# Altium PCB main - Copy.PcbDoc (part 4 of 14) (continued)
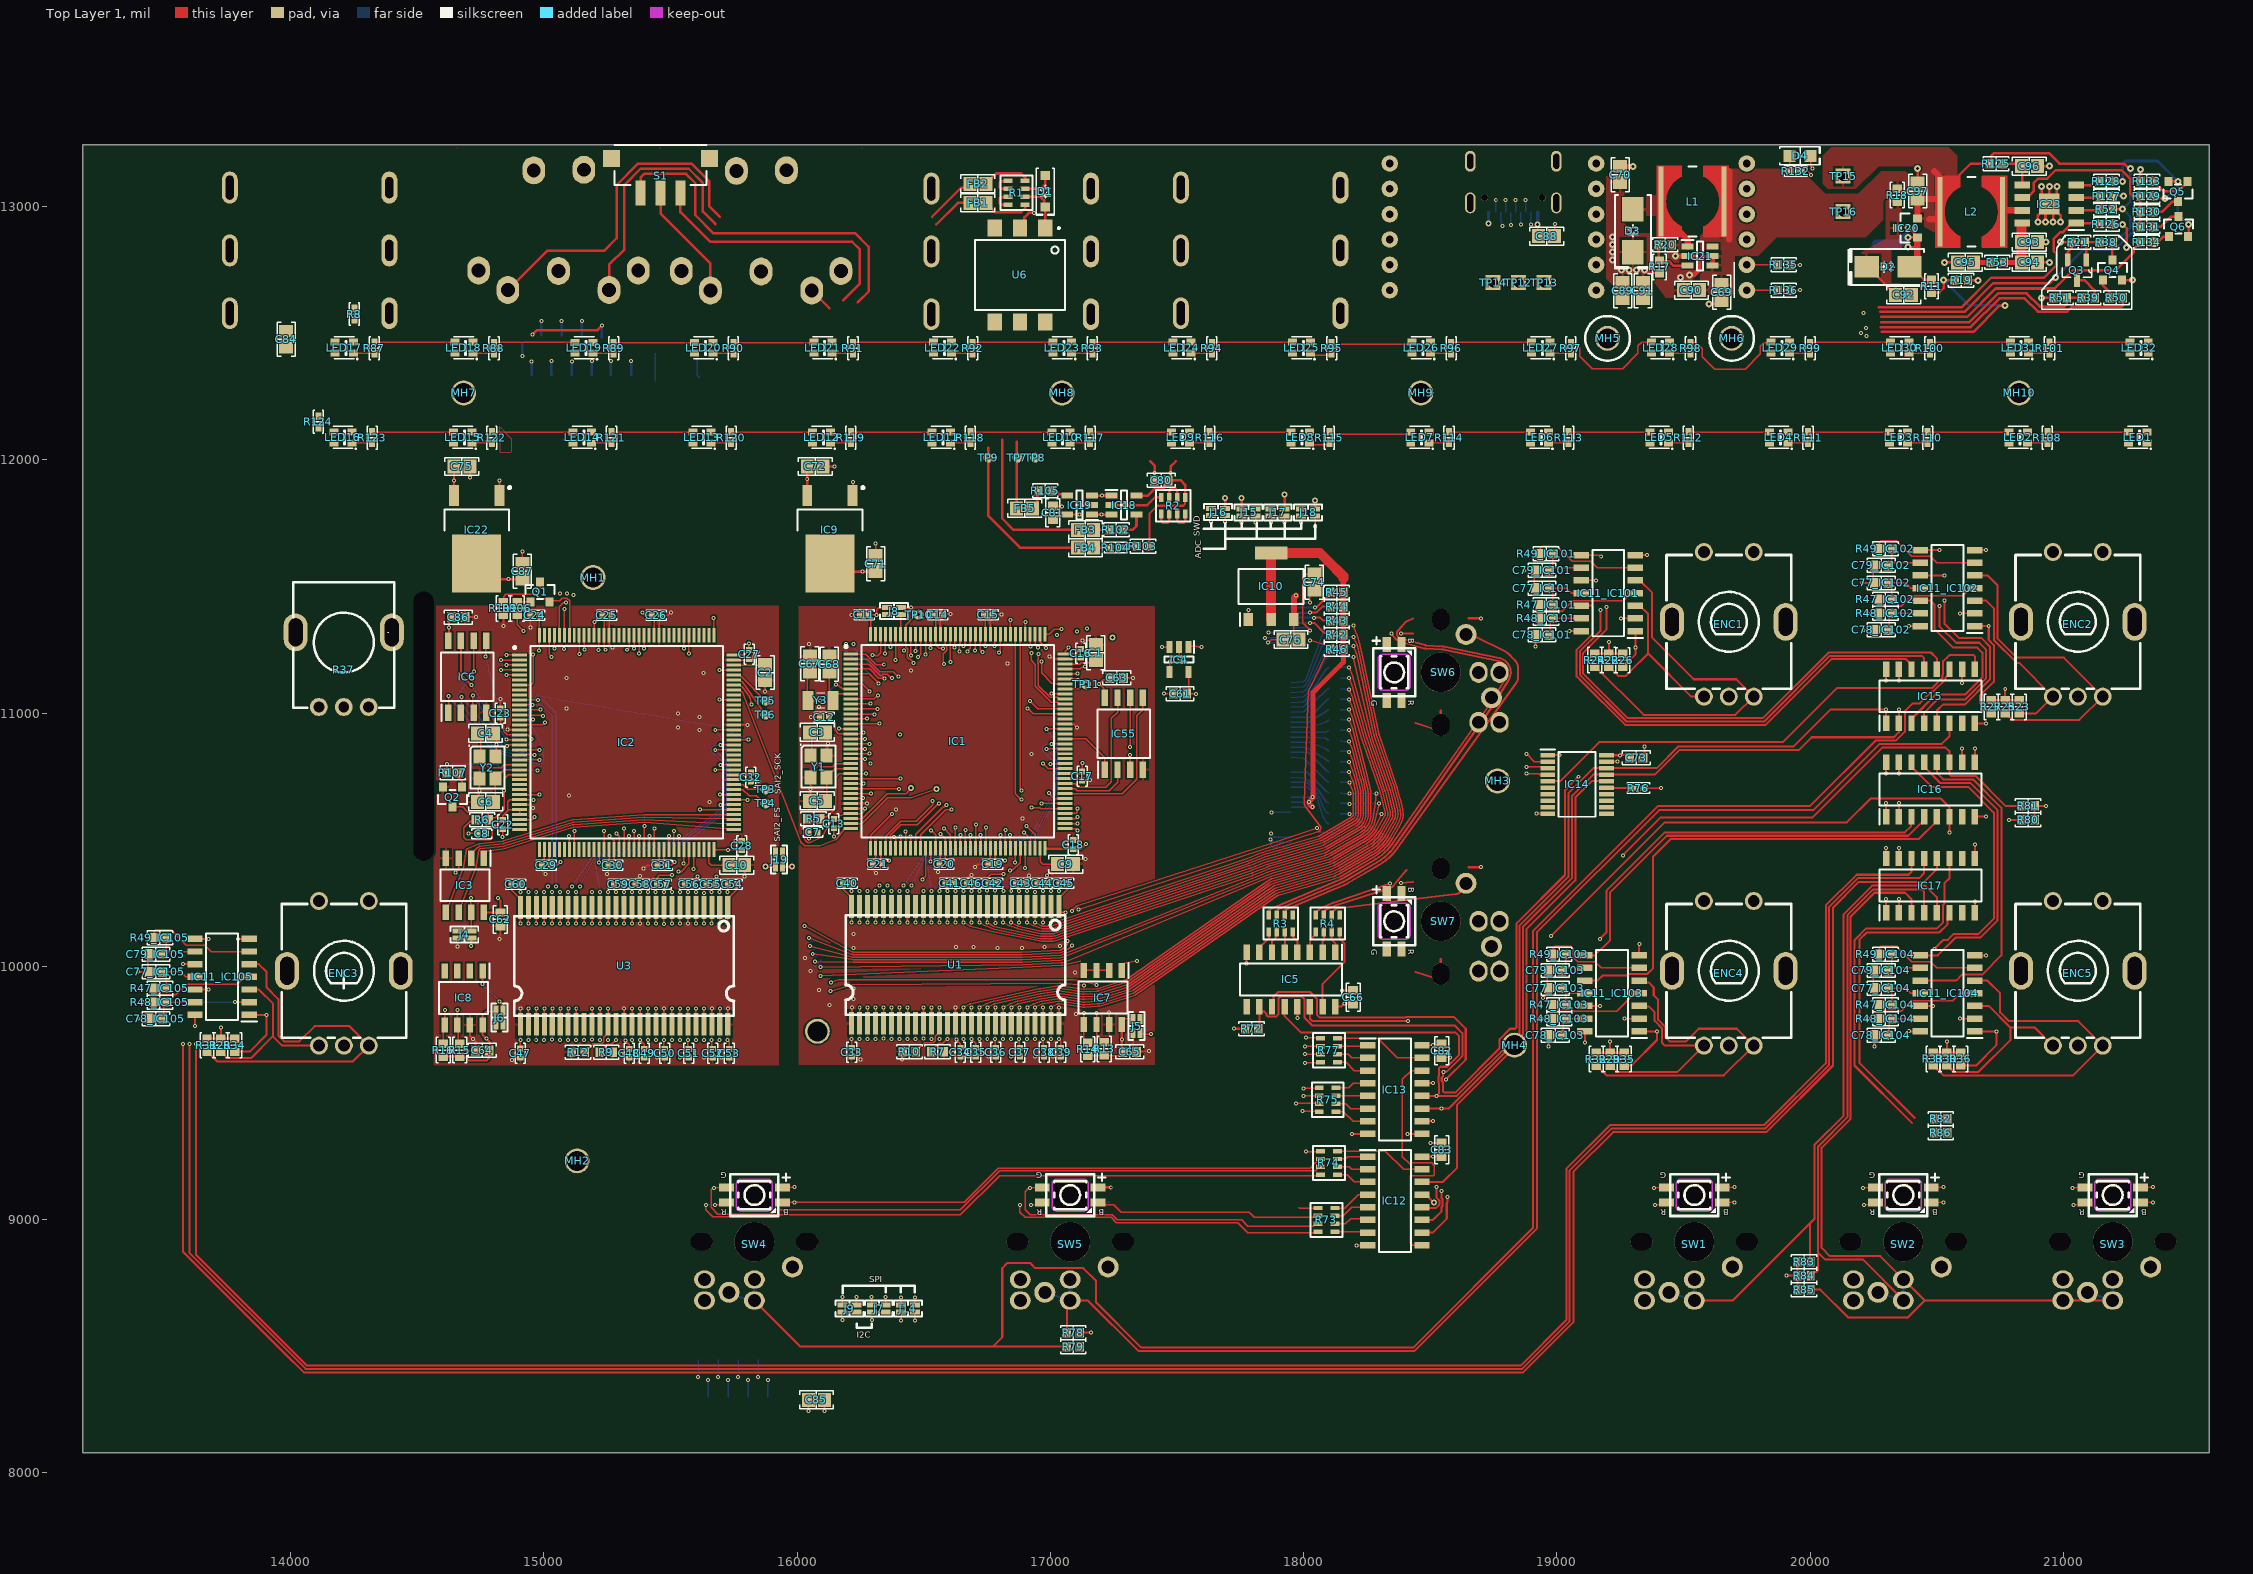
[diagram p0: Top Layer 1 view]
## Nets (pads, with @x,y where several pads share a name; then routed paths per layer and width w, separated by ;. In a path a pad name is that pad's centre, name@x,y a point inside that pad or via, vN(x,y) a via of type N, cw(c..) or ccw(c..) an arc to the next point about the centre after c; other vN are vias at no path point) (continued)
  Bottom 6+gnd w5: v1(14976.62,11052.03) 14996.56,11052.03 15048.82,10999.77 v1(15048.82,10315.92) ; v1@15033.24,9709.56 U4.23@15033.24,9771.4
AA1: IC2.11 U3.24 U4.24 | length 1673
  Top Layer 1 w5: IC2.11@14904.1,11032.42 14904.14,11032.46 14955.29,11032.46 v1(14955.49,11032.66) ; v1@15001.74,10170.19 U3.24@15001.74,10232.03
  Layer 3 w5: v1(15001.49,9709.31) 15001.49,9803 15017.62,9819.12 15017.62,10145.78 ; v1(15001.49,10169.94) ccw(c15005.65,10172.73) 15001.58,10169.82 15016.69,10148.64 ; v1@15001.49,10175.64 15001.49,10175.51 cw(c15005.65,10172.73) 15002.08,10176.22 15016.16,10190.35 ; v1(15017.33,10315.92) 15017.62,10298.12 ; 15017.62,10193.83 15017.62,10298.06 ; 15016.16,10190.35 ccw(c15012.62,10193.88) 15017.62,10193.79 ; 15016.16,10190.35 ccw(c15012.62,10193.88) 15017.62,10193.79 ; 15016.16,10190.35 ccw(c15012.62,10193.88) 15017.62,10193.79 ; 15016.16,10190.35 ccw(c15012.62,10193.88) 15017.62,10193.79 ; 15016.16,10190.35 ccw(c15012.62,10193.88) 15017.62,10193.79 ; 15016.16,10190.35 ccw(c15012.62,10193.88) 15017.62,10193.79 ; 15016.16,10190.35 ccw(c15012.62,10193.88) 15017.62,10193.79 ; 15016.16,10190.35 ccw(c15012.62,10193.88) 15017.62,10193.79 ; 15016.16,10190.35 ccw(c15012.62,10193.88) 15017.62,10193.79 ; 15016.16,10190.35 ccw(c15012.62,10193.88) 15017.62,10193.79 ; 15016.16,10190.35 ccw(c15012.62,10193.88) 15017.62,10193.79 ; 15016.16,10190.35 ccw(c15012.62,10193.88) 15017.62,10193.79 ; 15016.16,10190.35 ccw(c15012.62,10193.88) 15017.62,10193.79 ; 15016.16,10190.35 ccw(c15012.62,10193.88) 15017.62,10193.79 ; 15016.16,10190.35 ccw(c15012.62,10193.88) 15017.62,10193.79 ; 15016.16,10190.35 ccw(c15012.62,10193.88) 15017.62,10193.79 ; 15016.69,10148.64 cw(c15012.62,10145.74) 15017.62,10145.83 ; 15016.69,10148.64 cw(c15012.62,10145.74) 15017.62,10145.83 ; 15016.69,10148.64 cw(c15012.62,10145.74) 15017.62,10145.83 ; 15016.69,10148.64 cw(c15012.62,10145.74) 15017.62,10145.83 ; 15016.69,10148.64 cw(c15012.62,10145.74) 15017.62,10145.83 ; 15016.69,10148.64 cw(c15012.62,10145.74) 15017.62,10145.83 ; 15016.69,10148.64 cw(c15012.62,10145.74) 15017.62,10145.83 ; 15016.69,10148.64 cw(c15012.62,10145.74) 15017.62,10145.83 ; 15016.69,10148.64 cw(c15012.62,10145.74) 15017.62,10145.83 ; 15016.69,10148.64 cw(c15012.62,10145.74) 15017.62,10145.83 ; 15016.69,10148.64 cw(c15012.62,10145.74) 15017.62,10145.83 ; 15016.69,10148.64 cw(c15012.62,10145.74) 15017.62,10145.83 ; 15016.69,10148.64 cw(c15012.62,10145.74) 15017.62,10145.83 ; 15016.69,10148.64 cw(c15012.62,10145.74) 15017.62,10145.83 ; 15016.69,10148.64 cw(c15012.62,10145.74) 15017.62,10145.83 ; 15016.69,10148.64 cw(c15012.62,10145.74) 15017.62,10145.83 ; 15017.62,10298.06 ccw(c15012.62,10298.04) 15017.62,10298.12 ; 15017.62,10298.06 ccw(c15012.62,10298.04) 15017.62,10298.12 ; 15017.62,10298.06 ccw(c15012.62,10298.04) 15017.62,10298.12 ; 15017.62,10298.06 ccw(c15012.62,10298.04) 15017.62,10298.12 ; 15017.62,10298.06 ccw(c15012.62,10298.04) 15017.62,10298.12
  Bottom 6+gnd w5: v1(14955.49,11032.66) 14990.41,11032.66 15032.8,10990.27 15032.8,10334.3 15017.33,10318.83 v1(15017.33,10315.92) ; v1@15001.74,9709.56 U4.24@15001.74,9771.4
AA2: IC2.12 U3.25 U4.25 | length 1605
  Top Layer 1 w5: IC2.12@14903.94,11012.58 14904.97,11013.6 14985.68,11013.6 v1(14986.7,11014.63) ; v1@14970.24,10170.19 U3.25@14970.24,10232.03
  Layer 3 w5: v1(14970,9709.31) 14970,9803 14986.12,9819.12 14986.12,10145.78 ; v1(14970,10169.94) ccw(c14974.15,10172.73) 14970.08,10169.82 14985.19,10148.64 ; v1@14970,10175.51 cw(c14974.15,10172.73) 14970.58,10176.22 14984.66,10190.35 ccw(c14981.12,10193.88) 14986.12,10193.79 ; 14986.12,10193.83 14986.12,10473.57 cw(c14991.12,10473.57) 14987.39,10476.9 15018.72,10511.9 ccw(c14962.57,10562.18) 15037.66,10555.66 15047.83,10672.13 ccw(c14982.71,10677.89) 15047.9,10673.02 ccw(c14982.71,10677.9) 15048.09,10677.9 15048.09,10815.26 15048.09,10855.21 ccw(c14982.71,10855.26) 15045.67,10872.85 15019.43,10966.76 ccw(c15004.64,10962.57) 15019.39,10966.9 15011.45,10993.96 ccw(c14996.7,10989.63) 15005.16,11002.47 v1(14986.7,11014.63) ; 14985.19,10148.64 cw(c14981.12,10145.74) 14986.12,10145.83 ; 14985.19,10148.64 cw(c14981.12,10145.74) 14986.12,10145.83 ; 14985.19,10148.64 cw(c14981.12,10145.74) 14986.12,10145.83 ; 14985.19,10148.64 cw(c14981.12,10145.74) 14986.12,10145.83 ; 14985.19,10148.64 cw(c14981.12,10145.74) 14986.12,10145.83 ; 14985.19,10148.64 cw(c14981.12,10145.74) 14986.12,10145.83 ; 14985.19,10148.64 cw(c14981.12,10145.74) 14986.12,10145.83 ; 14985.19,10148.64 cw(c14981.12,10145.74) 14986.12,10145.83 ; 14985.19,10148.64 cw(c14981.12,10145.74) 14986.12,10145.83 ; 14985.19,10148.64 cw(c14981.12,10145.74) 14986.12,10145.83 ; 14985.19,10148.64 cw(c14981.12,10145.74) 14986.12,10145.83 ; 14985.19,10148.64 cw(c14981.12,10145.74) 14986.12,10145.83 ; 14985.19,10148.64 cw(c14981.12,10145.74) 14986.12,10145.83 ; 14985.19,10148.64 cw(c14981.12,10145.74) 14986.12,10145.83 ; 14985.19,10148.64 cw(c14981.12,10145.74) 14986.12,10145.83 ; 14985.19,10148.64 cw(c14981.12,10145.74) 14986.12,10145.83
  Bottom 6+gnd w5: v1@14970.24,9709.56 U4.25@14970.24,9771.4
AA3: IC2.13 U3.26 U4.26 | length 1587
  Top Layer 1 w5: IC2.13@14904.1,10993.05 14905.89,10991.26 14994.59,10991.26 v1(14996.23,10989.63) ; v1@14938.75,10170.19 U3.26@14938.75,10232.03
  Layer 3 w5: v1(14938.5,9709.31) 14938.5,9803 14954.62,9819.12 14954.62,10145.78 ; v1(14938.5,10169.94) ccw(c14942.66,10172.73) 14938.59,10169.82 14953.7,10148.64 ; v1@14938.5,10175.51 cw(c14942.66,10172.73) 14939.08,10176.22 14953.17,10190.35 ccw(c14949.62,10193.88) 14954.62,10193.79 14954.62,10470.36 cw(c14959.62,10470.36) 14955.95,10473.75 15003.12,10524.47 ccw(c14962.57,10562.18) 15017.73,10557.36 15027.91,10673.91 ccw(c14982.71,10677.89) 15027.95,10674.41 ; v1(14996.23,10989.63) 14996.36,10989.5 14996.66,10989.5 14989.9,10966.93 ccw(c15004.64,10962.57) 14990.4,10956.78 15024.74,10872.35 cw(c14982.71,10855.26) 15028.09,10855.26 15028.09,10815.26 15028.09,10677.9 cw(c14982.71,10677.9) 15027.95,10674.45 ; 14953.7,10148.64 cw(c14949.62,10145.74) 14954.62,10145.83 ; 14953.7,10148.64 cw(c14949.62,10145.74) 14954.62,10145.83 ; 14953.7,10148.64 cw(c14949.62,10145.74) 14954.62,10145.83 ; 14953.7,10148.64 cw(c14949.62,10145.74) 14954.62,10145.83 ; 14953.7,10148.64 cw(c14949.62,10145.74) 14954.62,10145.83 ; 14953.7,10148.64 cw(c14949.62,10145.74) 14954.62,10145.83 ; 14953.7,10148.64 cw(c14949.62,10145.74) 14954.62,10145.83 ; 14953.7,10148.64 cw(c14949.62,10145.74) 14954.62,10145.83 ; 14953.7,10148.64 cw(c14949.62,10145.74) 14954.62,10145.83 ; 14953.7,10148.64 cw(c14949.62,10145.74) 14954.62,10145.83 ; 14953.7,10148.64 cw(c14949.62,10145.74) 14954.62,10145.83 ; 14953.7,10148.64 cw(c14949.62,10145.74) 14954.62,10145.83 ; 14953.7,10148.64 cw(c14949.62,10145.74) 14954.62,10145.83 ; 14953.7,10148.64 cw(c14949.62,10145.74) 14954.62,10145.83 ; 14953.7,10148.64 cw(c14949.62,10145.74) 14954.62,10145.83 ; 14953.7,10148.64 cw(c14949.62,10145.74) 14954.62,10145.83
  Bottom 6+gnd w5: v1@14938.75,9709.56 U4.26@14938.75,9771.4
AA4: IC2.14 U3.29 U4.29 | length 1374.6
  Top Layer 1 w5: IC2.14@14903.94,10973.21 14904.65,10973.92 14955.99,10973.92 v1(14956.7,10974.63) ; U3.29@14938.75,9771.4 14938.75,9833.24 v1(14938.99,9833.49)
  Layer 3 w5: v1(14938.99,9833.49) 14938.99,10145.64 ccw(c14933.99,10145.64) 14937.55,10149.16 14927.66,10159.04 cw(c14938.5,10169.94) 14927,10180.15 14937.73,10192.24 ccw(c14933.99,10195.56) 14938.99,10195.56 14938.99,10293.63 v1(14938.5,10294.12) 14938.5,10479.09 cw(c14943.5,10479.09) 14940.27,10482.91 14992.24,10527.85 ccw(c14962.57,10562.18) 15007.77,10558.23 15017.95,10674.82 ccw(c14982.71,10677.89) 15017.98,10675.16 ccw(c14982.71,10677.9) 15018.09,10677.9 15018.09,10815.26 15018.09,10855.26 ccw(c14982.71,10855.26) 15013.61,10872.48 v1(14956.7,10974.63)
  Bottom 6+gnd w5: U4.29@14938.75,10232.03 v1@14938.75,10293.87
AA5: IC2.15 U3.30 U4.30 | length 1394.5
  Top Layer 1 w5: IC2.15@14904.1,10953.68 14904.5,10954.08 14996.15,10954.08 v1(15004.64,10962.57) ; U3.30@14970.24,9771.46 v1@14970.24,9833.73
  Layer 3 w5: v1(14970.49,9833.49) 14970.49,10145.64 ; 14970.49,10145.68 ccw(c14965.49,10145.59) 14969.03,10149.12 14959.1,10159.1 cw(c14970,10169.94) 14958.48,10180.12 14969.23,10192.29 ccw(c14965.49,10195.6) 14970.49,10195.51 ; 14970.49,10195.56 14970.49,10293.63 v1(14970,10294.12) 14970,10471.59 cw(c14975,10471.59) 14971.31,10474.97 15010.76,10518 ccw(c14962.57,10562.18) 15027.69,10556.49 15037.87,10673.04 ccw(c14982.71,10677.89) 15037.93,10673.73 ccw(c14982.71,10677.9) 15038.09,10677.9 15038.09,10815.26 15038.09,10855.26 ccw(c14982.71,10855.26) 15035.13,10873.12 v1(15004.64,10962.57)
  Bottom 6+gnd w5: U4.30@14970.24,10232.03 v1@14970.24,10293.87
AA6: IC2.50 U3.31 U4.31 | length 1184.5
  Top Layer 1 w5: U3.31@15001.74,9771.4 v1@15001.74,9833.24 ; IC2.50@15238.27,10461.71 v1@15238.27,10534.31
  Layer 3 w5: v1(15001.98,9833.49) 15001.98,10145.64 ; 15001.98,10195.56 15001.98,10293.63 v1(15001.49,10294.12) 15001.49,10323.38 ; v1(15238.2,10534.39) 15124.55,10447.68 ccw(c15163.98,10396.01) 15118.13,10442.09 15002.94,10326.9 ; 15000.53,10149.12 cw(c14996.98,10145.59) 15001.98,10145.68 ; 15000.53,10149.12 cw(c14996.98,10145.59) 15001.98,10145.68 ; 15000.53,10149.12 cw(c14996.98,10145.59) 15001.98,10145.68 ; 15000.53,10149.12 cw(c14996.98,10145.59) 15001.98,10145.68 ; 15000.53,10149.12 cw(c14996.98,10145.59) 15001.98,10145.68 ; 15000.53,10149.12 cw(c14996.98,10145.59) 15001.98,10145.68 ; 15000.53,10149.12 cw(c14996.98,10145.59) 15001.98,10145.68 ; 15000.53,10149.12 cw(c14996.98,10145.59) 15001.98,10145.68 ; 15000.53,10149.12 cw(c14996.98,10145.59) 15001.98,10145.68 ; 15000.53,10149.12 cw(c14996.98,10145.59) 15001.98,10145.68 ; 15000.53,10149.12 cw(c14996.98,10145.59) 15001.98,10145.68 ; 15000.53,10149.12 cw(c14996.98,10145.59) 15001.98,10145.68 ; 15000.53,10149.12 cw(c14996.98,10145.59) 15001.98,10145.68 ; 15000.53,10149.12 cw(c14996.98,10145.59) 15001.98,10145.68 ; 15000.53,10149.12 cw(c14996.98,10145.59) 15001.98,10145.68 ; 15000.53,10149.12 cw(c14996.98,10145.59) 15001.98,10145.68 ; 15000.53,10149.12 14990.6,10159.1 cw(c15001.49,10169.94) 14989.97,10180.12 15000.73,10192.29 ; 15000.73,10192.29 ccw(c14996.98,10195.6) 15001.98,10195.51 ; 15000.73,10192.29 ccw(c14996.98,10195.6) 15001.98,10195.51 ; 15000.73,10192.29 ccw(c14996.98,10195.6) 15001.98,10195.51 ; 15000.73,10192.29 ccw(c14996.98,10195.6) 15001.98,10195.51 ; 15000.73,10192.29 ccw(c14996.98,10195.6) 15001.98,10195.51 ; 15000.73,10192.29 ccw(c14996.98,10195.6) 15001.98,10195.51 ; 15000.73,10192.29 ccw(c14996.98,10195.6) 15001.98,10195.51 ; 15000.73,10192.29 ccw(c14996.98,10195.6) 15001.98,10195.51 ; 15000.73,10192.29 ccw(c14996.98,10195.6) 15001.98,10195.51 ; 15000.73,10192.29 ccw(c14996.98,10195.6) 15001.98,10195.51 ; 15000.73,10192.29 ccw(c14996.98,10195.6) 15001.98,10195.51 ; 15000.73,10192.29 ccw(c14996.98,10195.6) 15001.98,10195.51 ; 15000.73,10192.29 ccw(c14996.98,10195.6) 15001.98,10195.51 ; 15000.73,10192.29 ccw(c14996.98,10195.6) 15001.98,10195.51 ; 15000.73,10192.29 ccw(c14996.98,10195.6) 15001.98,10195.51 ; 15000.73,10192.29 ccw(c14996.98,10195.6) 15001.98,10195.51 ; 15001.49,10323.38 cw(c15006.5,10323.38) 15002.94,10326.9 ; 15001.49,10323.38 cw(c15006.5,10323.38) 15002.94,10326.9 ; 15001.49,10323.38 cw(c15006.5,10323.38) 15002.94,10326.9 ; 15001.49,10323.38 cw(c15006.5,10323.38) 15002.94,10326.9 ; 15001.49,10323.38 cw(c15006.5,10323.38) 15002.94,10326.9 ; 15001.49,10323.38 cw(c15006.5,10323.38) 15002.94,10326.9 ; 15001.49,10323.38 cw(c15006.5,10323.38) 15002.94,10326.9 ; 15001.49,10323.38 cw(c15006.5,10323.38) 15002.94,10326.9 ; 15001.49,10323.38 cw(c15006.5,10323.38) 15002.94,10326.9 ; 15001.49,10323.38 cw(c15006.5,10323.38) 15002.94,10326.9 ; 15001.49,10323.38 cw(c15006.5,10323.38) 15002.94,10326.9 ; 15001.49,10323.38 cw(c15006.5,10323.38) 15002.94,10326.9 ; 15001.49,10323.38 cw(c15006.5,10323.38) 15002.94,10326.9 ; 15001.49,10323.38 cw(c15006.5,10323.38) 15002.94,10326.9 ; 15001.49,10323.38 cw(c15006.5,10323.38) 15002.94,10326.9 ; 15001.49,10323.38 cw(c15006.5,10323.38) 15002.94,10326.9
  Bottom 6+gnd w5: U4.31@15001.74,10232.03 v1@15001.74,10293.87
AA7: IC2.53 U3.32 U4.32 | length 1309.9
  Top Layer 1 w5: U3.32@15033.24,9771.46 v1@15033.24,9833.49 ; v1(15286.7,10524.63) 15296.94,10514.39 15296.94,10462.11 IC2.53@15297.23,10461.87
  Layer 3 w5: v1(15033.48,9833.49) 15033.48,10145.64 ; 15033.48,10195.56 15033.48,10293.63 v1(15032.99,10294.12) 15032.99,10340.73 ; v1(15286.7,10524.63) 15270.8,10504.96 ; 15032.02,10149.12 cw(c15028.48,10145.59) 15033.48,10145.68 ; 15032.02,10149.12 cw(c15028.48,10145.59) 15033.48,10145.68 ; 15032.02,10149.12 cw(c15028.48,10145.59) 15033.48,10145.68 ; 15032.02,10149.12 cw(c15028.48,10145.59) 15033.48,10145.68 ; 15032.02,10149.12 cw(c15028.48,10145.59) 15033.48,10145.68 ; 15032.02,10149.12 cw(c15028.48,10145.59) 15033.48,10145.68 ; 15032.02,10149.12 cw(c15028.48,10145.59) 15033.48,10145.68 ; 15032.02,10149.12 cw(c15028.48,10145.59) 15033.48,10145.68 ; 15032.02,10149.12 cw(c15028.48,10145.59) 15033.48,10145.68 ; 15032.02,10149.12 cw(c15028.48,10145.59) 15033.48,10145.68 ; 15032.02,10149.12 cw(c15028.48,10145.59) 15033.48,10145.68 ; 15032.02,10149.12 cw(c15028.48,10145.59) 15033.48,10145.68 ; 15032.02,10149.12 cw(c15028.48,10145.59) 15033.48,10145.68 ; 15032.02,10149.12 cw(c15028.48,10145.59) 15033.48,10145.68 ; 15032.02,10149.12 cw(c15028.48,10145.59) 15033.48,10145.68 ; 15032.02,10149.12 cw(c15028.48,10145.59) 15033.48,10145.68 ; 15032.02,10149.12 15022.1,10159.1 cw(c15032.99,10169.94) 15021.47,10180.12 15032.23,10192.29 ; 15032.23,10192.29 ccw(c15028.48,10195.6) 15033.48,10195.51 ; 15032.23,10192.29 ccw(c15028.48,10195.6) 15033.48,10195.51 ; 15032.23,10192.29 ccw(c15028.48,10195.6) 15033.48,10195.51 ; 15032.23,10192.29 ccw(c15028.48,10195.6) 15033.48,10195.51 ; 15032.23,10192.29 ccw(c15028.48,10195.6) 15033.48,10195.51 ; 15032.23,10192.29 ccw(c15028.48,10195.6) 15033.48,10195.51 ; 15032.23,10192.29 ccw(c15028.48,10195.6) 15033.48,10195.51 ; 15032.23,10192.29 ccw(c15028.48,10195.6) 15033.48,10195.51 ; 15032.23,10192.29 ccw(c15028.48,10195.6) 15033.48,10195.51 ; 15032.23,10192.29 ccw(c15028.48,10195.6) 15033.48,10195.51 ; 15032.23,10192.29 ccw(c15028.48,10195.6) 15033.48,10195.51 ; 15032.23,10192.29 ccw(c15028.48,10195.6) 15033.48,10195.51 ; 15032.23,10192.29 ccw(c15028.48,10195.6) 15033.48,10195.51 ; 15032.23,10192.29 ccw(c15028.48,10195.6) 15033.48,10195.51 ; 15032.23,10192.29 ccw(c15028.48,10195.6) 15033.48,10195.51 ; 15032.23,10192.29 ccw(c15028.48,10195.6) 15033.48,10195.51 ; 15032.99,10340.73 cw(c15037.99,10340.73) 15034.44,10344.25 ; 15032.99,10340.73 cw(c15037.99,10340.73) 15034.44,10344.25 ; 15032.99,10340.73 cw(c15037.99,10340.73) 15034.44,10344.25 ; 15032.99,10340.73 cw(c15037.99,10340.73) 15034.44,10344.25 ; 15032.99,10340.73 cw(c15037.99,10340.73) 15034.44,10344.25 ; 15032.99,10340.73 cw(c15037.99,10340.73) 15034.44,10344.25 ; 15032.99,10340.73 cw(c15037.99,10340.73) 15034.44,10344.25 ; 15032.99,10340.73 cw(c15037.99,10340.73) 15034.44,10344.25 ; 15032.99,10340.73 cw(c15037.99,10340.73) 15034.44,10344.25 ; 15032.99,10340.73 cw(c15037.99,10340.73) 15034.44,10344.25 ; 15032.99,10340.73 cw(c15037.99,10340.73) 15034.44,10344.25 ; 15032.99,10340.73 cw(c15037.99,10340.73) 15034.44,10344.25 ; 15032.99,10340.73 cw(c15037.99,10340.73) 15034.44,10344.25 ; 15032.99,10340.73 cw(c15037.99,10340.73) 15034.44,10344.25 ; 15032.99,10340.73 cw(c15037.99,10340.73) 15034.44,10344.25 ; 15032.99,10340.73 cw(c15037.99,10340.73) 15034.44,10344.25 ; 15034.44,10344.25 15125.19,10435 cw(c15163.98,10396.01) 15141.2,10446.07 15191.42,10468.92 cw(c15218.49,10409.41) 15192.68,10469.47 15264.91,10500.5 ; 15264.91,10500.5 ccw(c15258.85,10514.63) 15270.8,10504.96 ; 15264.91,10500.5 ccw(c15258.85,10514.63) 15270.8,10504.96 ; 15264.91,10500.5 ccw(c15258.85,10514.63) 15270.8,10504.96 ; 15264.91,10500.5 ccw(c15258.85,10514.63) 15270.8,10504.96 ; 15264.91,10500.5 ccw(c15258.85,10514.63) 15270.8,10504.96 ; 15264.91,10500.5 ccw(c15258.85,10514.63) 15270.8,10504.96 ; 15264.91,10500.5 ccw(c15258.85,10514.63) 15270.8,10504.96 ; 15264.91,10500.5 ccw(c15258.85,10514.63) 15270.8,10504.96 ; 15264.91,10500.5 ccw(c15258.85,10514.63) 15270.8,10504.96 ; 15264.91,10500.5 ccw(c15258.85,10514.63) 15270.8,10504.96 ; 15264.91,10500.5 ccw(c15258.85,10514.63) 15270.8,10504.96 ; 15264.91,10500.5 ccw(c15258.85,10514.63) 15270.8,10504.96 ; 15264.91,10500.5 ccw(c15258.85,10514.63) 15270.8,10504.96 ; 15264.91,10500.5 ccw(c15258.85,10514.63) 15270.8,10504.96 ; 15264.91,10500.5 ccw(c15258.85,10514.63) 15270.8,10504.96 ; 15264.91,10500.5 ccw(c15258.85,10514.63) 15270.8,10504.96
  Bottom 6+gnd w5: U4.32@15033.24,10232.03 v1@15033.24,10293.87
AA8: IC2.54 U3.33 U4.33 | length 1491.1
  Top Layer 1 w5: U3.33@15064.73,9771.4 v1@15064.73,9833.24 ; v1(15316.7,10544.63) 15316.78,10544.55 15316.78,10461.95 IC2.54@15316.92,10461.87
  Layer 3 w5: v1(15064.98,9833.49) 15064.98,10145.64 ; 15064.98,10195.56 15064.98,10293.63 v1(15064.49,10294.12) 15064.49,10358.09 ; v1(15316.7,10544.63) 15299.87,10516.69 cw(c15286.7,10524.63) 15296.48,10512.77 15274.98,10495.05 cw(c15258.85,10514.63) 15268.86,10491.31 15196.68,10460.31 ; 15063.52,10149.12 cw(c15059.98,10145.59) 15064.98,10145.68 ; 15063.52,10149.12 cw(c15059.98,10145.59) 15064.98,10145.68 ; 15063.52,10149.12 cw(c15059.98,10145.59) 15064.98,10145.68 ; 15063.52,10149.12 cw(c15059.98,10145.59) 15064.98,10145.68 ; 15063.52,10149.12 cw(c15059.98,10145.59) 15064.98,10145.68 ; 15063.52,10149.12 cw(c15059.98,10145.59) 15064.98,10145.68 ; 15063.52,10149.12 cw(c15059.98,10145.59) 15064.98,10145.68 ; 15063.52,10149.12 cw(c15059.98,10145.59) 15064.98,10145.68 ; 15063.52,10149.12 cw(c15059.98,10145.59) 15064.98,10145.68 ; 15063.52,10149.12 cw(c15059.98,10145.59) 15064.98,10145.68 ; 15063.52,10149.12 cw(c15059.98,10145.59) 15064.98,10145.68 ; 15063.52,10149.12 cw(c15059.98,10145.59) 15064.98,10145.68 ; 15063.52,10149.12 cw(c15059.98,10145.59) 15064.98,10145.68 ; 15063.52,10149.12 cw(c15059.98,10145.59) 15064.98,10145.68 ; 15063.52,10149.12 cw(c15059.98,10145.59) 15064.98,10145.68 ; 15063.52,10149.12 cw(c15059.98,10145.59) 15064.98,10145.68 ; 15063.52,10149.12 15053.59,10159.1 cw(c15064.49,10169.94) 15052.96,10180.12 15063.72,10192.29 ; 15063.72,10192.29 ccw(c15059.98,10195.6) 15064.98,10195.51 ; 15063.72,10192.29 ccw(c15059.98,10195.6) 15064.98,10195.51 ; 15063.72,10192.29 ccw(c15059.98,10195.6) 15064.98,10195.51 ; 15063.72,10192.29 ccw(c15059.98,10195.6) 15064.98,10195.51 ; 15063.72,10192.29 ccw(c15059.98,10195.6) 15064.98,10195.51 ; 15063.72,10192.29 ccw(c15059.98,10195.6) 15064.98,10195.51 ; 15063.72,10192.29 ccw(c15059.98,10195.6) 15064.98,10195.51 ; 15063.72,10192.29 ccw(c15059.98,10195.6) 15064.98,10195.51 ; 15063.72,10192.29 ccw(c15059.98,10195.6) 15064.98,10195.51 ; 15063.72,10192.29 ccw(c15059.98,10195.6) 15064.98,10195.51 ; 15063.72,10192.29 ccw(c15059.98,10195.6) 15064.98,10195.51 ; 15063.72,10192.29 ccw(c15059.98,10195.6) 15064.98,10195.51 ; 15063.72,10192.29 ccw(c15059.98,10195.6) 15064.98,10195.51 ; 15063.72,10192.29 ccw(c15059.98,10195.6) 15064.98,10195.51 ; 15063.72,10192.29 ccw(c15059.98,10195.6) 15064.98,10195.51 ; 15063.72,10192.29 ccw(c15059.98,10195.6) 15064.98,10195.51 ; 15064.49,10358.09 cw(c15069.49,10358.09) 15065.93,10361.6 ; 15064.49,10358.09 cw(c15069.49,10358.09) 15065.93,10361.6 ; 15064.49,10358.09 cw(c15069.49,10358.09) 15065.93,10361.6 ; 15064.49,10358.09 cw(c15069.49,10358.09) 15065.93,10361.6 ; 15064.49,10358.09 cw(c15069.49,10358.09) 15065.93,10361.6 ; 15064.49,10358.09 cw(c15069.49,10358.09) 15065.93,10361.6 ; 15064.49,10358.09 cw(c15069.49,10358.09) 15065.93,10361.6 ; 15064.49,10358.09 cw(c15069.49,10358.09) 15065.93,10361.6 ; 15064.49,10358.09 cw(c15069.49,10358.09) 15065.93,10361.6 ; 15064.49,10358.09 cw(c15069.49,10358.09) 15065.93,10361.6 ; 15064.49,10358.09 cw(c15069.49,10358.09) 15065.93,10361.6 ; 15064.49,10358.09 cw(c15069.49,10358.09) 15065.93,10361.6 ; 15064.49,10358.09 cw(c15069.49,10358.09) 15065.93,10361.6 ; 15064.49,10358.09 cw(c15069.49,10358.09) 15065.93,10361.6 ; 15064.49,10358.09 cw(c15069.49,10358.09) 15065.93,10361.6 ; 15064.49,10358.09 cw(c15069.49,10358.09) 15065.93,10361.6 ; 15065.93,10361.6 15132.24,10427.91 ; 15132.24,10427.91 cw(c15163.98,10396.01) 15145.34,10436.97 ; 15132.24,10427.91 cw(c15163.98,10396.01) 15145.34,10436.97 ; 15132.24,10427.91 cw(c15163.98,10396.01) 15145.34,10436.97 ; 15132.24,10427.91 cw(c15163.98,10396.01) 15145.34,10436.97 ; 15132.24,10427.91 cw(c15163.98,10396.01) 15145.34,10436.97 ; 15132.24,10427.91 cw(c15163.98,10396.01) 15145.34,10436.97 ; 15132.24,10427.91 cw(c15163.98,10396.01) 15145.34,10436.97 ; 15132.24,10427.91 cw(c15163.98,10396.01) 15145.34,10436.97 ; 15132.24,10427.91 cw(c15163.98,10396.01) 15145.34,10436.97 ; 15132.24,10427.91 cw(c15163.98,10396.01) 15145.34,10436.97 ; 15132.24,10427.91 cw(c15163.98,10396.01) 15145.34,10436.97 ; 15132.24,10427.91 cw(c15163.98,10396.01) 15145.34,10436.97 ; 15132.24,10427.91 cw(c15163.98,10396.01) 15145.34,10436.97 ; 15132.24,10427.91 cw(c15163.98,10396.01) 15145.34,10436.97 ; 15132.24,10427.91 cw(c15163.98,10396.01) 15145.34,10436.97 ; 15132.24,10427.91 cw(c15163.98,10396.01) 15145.34,10436.97 ; 15145.34,10436.97 15195.56,10459.81 ; 15195.56,10459.81 cw(c15218.49,10409.41) 15196.68,10460.31 ; 15195.56,10459.81 cw(c15218.49,10409.41) 15196.68,10460.31 ; 15195.56,10459.81 cw(c15218.49,10409.41) 15196.68,10460.31 ; 15195.56,10459.81 cw(c15218.49,10409.41) 15196.68,10460.31 ; 15195.56,10459.81 cw(c15218.49,10409.41) 15196.68,10460.31 ; 15195.56,10459.81 cw(c15218.49,10409.41) 15196.68,10460.31 ; 15195.56,10459.81 cw(c15218.49,10409.41) 15196.68,10460.31 ; 15195.56,10459.81 cw(c15218.49,10409.41) 15196.68,10460.31 ; 15195.56,10459.81 cw(c15218.49,10409.41) 15196.68,10460.31 ; 15195.56,10459.81 cw(c15218.49,10409.41) 15196.68,10460.31 ; 15195.56,10459.81 cw(c15218.49,10409.41) 15196.68,10460.31 ; 15195.56,10459.81 cw(c15218.49,10409.41) 15196.68,10460.31 ; 15195.56,10459.81 cw(c15218.49,10409.41) 15196.68,10460.31 ; 15195.56,10459.81 cw(c15218.49,10409.41) 15196.68,10460.31 ; 15195.56,10459.81 cw(c15218.49,10409.41) 15196.68,10460.31 ; 15195.56,10459.81 cw(c15218.49,10409.41) 15196.68,10460.31
  Bottom 6+gnd w5: U4.33@15064.73,10232.03 v1@15064.73,10293.87
AA9: IC2.55 U3.34 U4.34 | length 1334.1
  Top Layer 1 w5: U3.34@15096.23,9771.46 v1@15096.23,9833.49 ; IC2.55@15336.54,10461.87 v1@15336.54,10514.16
  Layer 3 w5: v1(15096.47,9833.49) 15096.47,10145.64 ; 15096.47,10195.56 15096.47,10293.63 v1(15095.98,10294.12) 15095.98,10361.3 ; v1(15336.31,10514.39) 15285.31,10477.77 ; 15095.02,10149.12 cw(c15091.47,10145.59) 15096.47,10145.68 ; 15095.02,10149.12 cw(c15091.47,10145.59) 15096.47,10145.68 ; 15095.02,10149.12 cw(c15091.47,10145.59) 15096.47,10145.68 ; 15095.02,10149.12 cw(c15091.47,10145.59) 15096.47,10145.68 ; 15095.02,10149.12 cw(c15091.47,10145.59) 15096.47,10145.68 ; 15095.02,10149.12 cw(c15091.47,10145.59) 15096.47,10145.68 ; 15095.02,10149.12 cw(c15091.47,10145.59) 15096.47,10145.68 ; 15095.02,10149.12 cw(c15091.47,10145.59) 15096.47,10145.68 ; 15095.02,10149.12 cw(c15091.47,10145.59) 15096.47,10145.68 ; 15095.02,10149.12 cw(c15091.47,10145.59) 15096.47,10145.68 ; 15095.02,10149.12 cw(c15091.47,10145.59) 15096.47,10145.68 ; 15095.02,10149.12 cw(c15091.47,10145.59) 15096.47,10145.68 ; 15095.02,10149.12 cw(c15091.47,10145.59) 15096.47,10145.68 ; 15095.02,10149.12 cw(c15091.47,10145.59) 15096.47,10145.68 ; 15095.02,10149.12 cw(c15091.47,10145.59) 15096.47,10145.68 ; 15095.02,10149.12 cw(c15091.47,10145.59) 15096.47,10145.68 ; 15095.02,10149.12 15085.09,10159.1 cw(c15095.98,10169.94) 15084.46,10180.12 15095.22,10192.29 ; 15095.22,10192.29 ccw(c15091.47,10195.6) 15096.47,10195.51 ; 15095.22,10192.29 ccw(c15091.47,10195.6) 15096.47,10195.51 ; 15095.22,10192.29 ccw(c15091.47,10195.6) 15096.47,10195.51 ; 15095.22,10192.29 ccw(c15091.47,10195.6) 15096.47,10195.51 ; 15095.22,10192.29 ccw(c15091.47,10195.6) 15096.47,10195.51 ; 15095.22,10192.29 ccw(c15091.47,10195.6) 15096.47,10195.51 ; 15095.22,10192.29 ccw(c15091.47,10195.6) 15096.47,10195.51 ; 15095.22,10192.29 ccw(c15091.47,10195.6) 15096.47,10195.51 ; 15095.22,10192.29 ccw(c15091.47,10195.6) 15096.47,10195.51 ; 15095.22,10192.29 ccw(c15091.47,10195.6) 15096.47,10195.51 ; 15095.22,10192.29 ccw(c15091.47,10195.6) 15096.47,10195.51 ; 15095.22,10192.29 ccw(c15091.47,10195.6) 15096.47,10195.51 ; 15095.22,10192.29 ccw(c15091.47,10195.6) 15096.47,10195.51 ; 15095.22,10192.29 ccw(c15091.47,10195.6) 15096.47,10195.51 ; 15095.22,10192.29 ccw(c15091.47,10195.6) 15096.47,10195.51 ; 15095.22,10192.29 ccw(c15091.47,10195.6) 15096.47,10195.51 ; 15095.98,10361.3 cw(c15100.98,10361.3) 15097.43,10364.82 ; 15095.98,10361.3 cw(c15100.98,10361.3) 15097.43,10364.82 ; 15095.98,10361.3 cw(c15100.98,10361.3) 15097.43,10364.82 ; 15095.98,10361.3 cw(c15100.98,10361.3) 15097.43,10364.82 ; 15095.98,10361.3 cw(c15100.98,10361.3) 15097.43,10364.82 ; 15095.98,10361.3 cw(c15100.98,10361.3) 15097.43,10364.82 ; 15095.98,10361.3 cw(c15100.98,10361.3) 15097.43,10364.82 ; 15095.98,10361.3 cw(c15100.98,10361.3) 15097.43,10364.82 ; 15095.98,10361.3 cw(c15100.98,10361.3) 15097.43,10364.82 ; 15095.98,10361.3 cw(c15100.98,10361.3) 15097.43,10364.82 ; 15095.98,10361.3 cw(c15100.98,10361.3) 15097.43,10364.82 ; 15095.98,10361.3 cw(c15100.98,10361.3) 15097.43,10364.82 ; 15095.98,10361.3 cw(c15100.98,10361.3) 15097.43,10364.82 ; 15095.98,10361.3 cw(c15100.98,10361.3) 15097.43,10364.82 ; 15095.98,10361.3 cw(c15100.98,10361.3) 15097.43,10364.82 ; 15095.98,10361.3 cw(c15100.98,10361.3) 15097.43,10364.82 ; 15097.43,10364.82 15146.35,10413.74 cw(c15163.98,10396.01) 15153.64,10418.77 15203.81,10441.59 ; 15203.81,10441.59 cw(c15218.49,10409.41) 15204.62,10441.95 ; 15203.81,10441.59 cw(c15218.49,10409.41) 15204.62,10441.95 ; 15203.81,10441.59 cw(c15218.49,10409.41) 15204.62,10441.95 ; 15203.81,10441.59 cw(c15218.49,10409.41) 15204.62,10441.95 ; 15203.81,10441.59 cw(c15218.49,10409.41) 15204.62,10441.95 ; 15203.81,10441.59 cw(c15218.49,10409.41) 15204.62,10441.95 ; 15203.81,10441.59 cw(c15218.49,10409.41) 15204.62,10441.95 ; 15203.81,10441.59 cw(c15218.49,10409.41) 15204.62,10441.95 ; 15203.81,10441.59 cw(c15218.49,10409.41) 15204.62,10441.95 ; 15203.81,10441.59 cw(c15218.49,10409.41) 15204.62,10441.95 ; 15203.81,10441.59 cw(c15218.49,10409.41) 15204.62,10441.95 ; 15203.81,10441.59 cw(c15218.49,10409.41) 15204.62,10441.95 ; 15203.81,10441.59 cw(c15218.49,10409.41) 15204.62,10441.95 ; 15203.81,10441.59 cw(c15218.49,10409.41) 15204.62,10441.95 ; 15203.81,10441.59 cw(c15218.49,10409.41) 15204.62,10441.95 ; 15203.81,10441.59 cw(c15218.49,10409.41) 15204.62,10441.95 ; 15204.62,10441.95 15276.75,10472.94 ; 15276.75,10472.94 ccw(c15258.85,10514.63) 15285.31,10477.77 ; 15276.75,10472.94 ccw(c15258.85,10514.63) 15285.31,10477.77 ; 15276.75,10472.94 ccw(c15258.85,10514.63) 15285.31,10477.77 ; 15276.75,10472.94 ccw(c15258.85,10514.63) 15285.31,10477.77 ; 15276.75,10472.94 ccw(c15258.85,10514.63) 15285.31,10477.77 ; 15276.75,10472.94 ccw(c15258.85,10514.63) 15285.31,10477.77 ; 15276.75,10472.94 ccw(c15258.85,10514.63) 15285.31,10477.77 ; 15276.75,10472.94 ccw(c15258.85,10514.63) 15285.31,10477.77 ; 15276.75,10472.94 ccw(c15258.85,10514.63) 15285.31,10477.77 ; 15276.75,10472.94 ccw(c15258.85,10514.63) 15285.31,10477.77 ; 15276.75,10472.94 ccw(c15258.85,10514.63) 15285.31,10477.77 ; 15276.75,10472.94 ccw(c15258.85,10514.63) 15285.31,10477.77 ; 15276.75,10472.94 ccw(c15258.85,10514.63) 15285.31,10477.77 ; 15276.75,10472.94 ccw(c15258.85,10514.63) 15285.31,10477.77 ; 15276.75,10472.94 ccw(c15258.85,10514.63) 15285.31,10477.77 ; 15276.75,10472.94 ccw(c15258.85,10514.63) 15285.31,10477.77
  Bottom 6+gnd w5: U4.34@15096.23,10232.03 v1@15096.23,10293.87